# Altium PCB DigitalControl.PcbDoc
Units mil, origin at the board's own origin, x right, y up, seen from the top; angles counter-clockwise.
Board outline 6000 x 4000 mil, 2 copper layers (Top Layer, Bottom Layer); 53 components, 42 nets, 205 pads, 0 vias.
Unrouted connection lines stored in the file: 132.
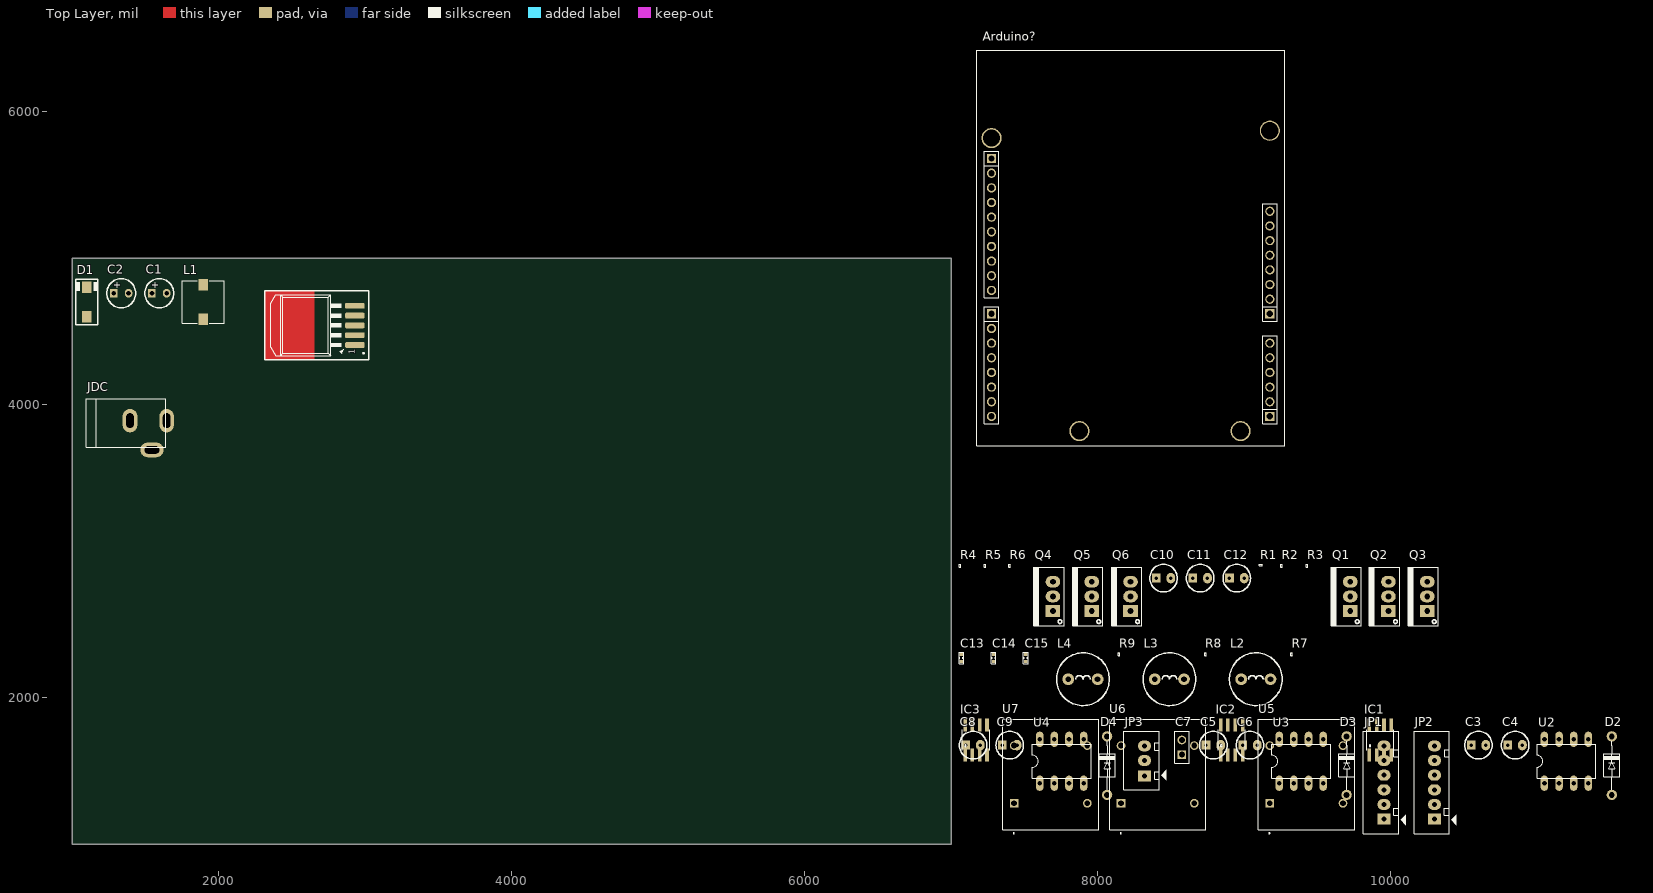
[diagram p0: Top Layer view]
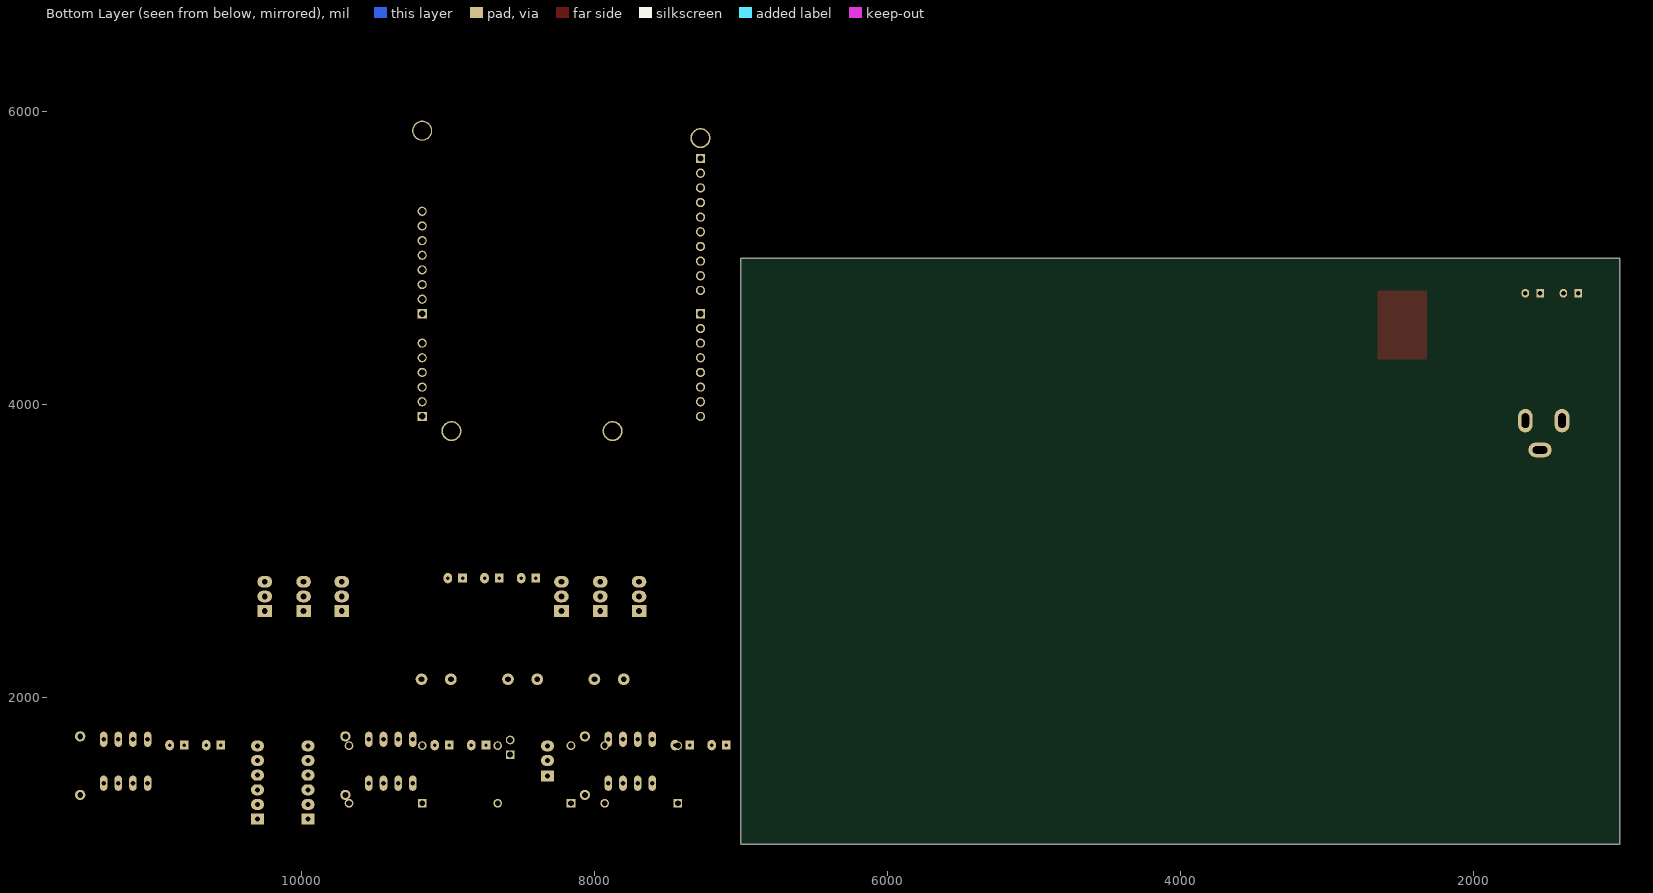
[diagram p1: Bottom Layer view, seen from below]

## Layer stack, top to bottom
Top Solder: solder mask 0.4, Solder Resist, Dk 3.5
Top Layer: signal copper 1.4
Dielectric 1: dielectric 12.6, FR-4, Dk 4.8
Bottom Layer: signal copper 1.4
Bottom Solder: solder mask 0.4, Solder Resist, Dk 3.5

## Board outline
1000,1000 7000,1000 7000,5000 1000,5000

## Design rules (kind name [scope] priority, off if disabled: settings)
Clearance [All] p1: gap=10 ignorepadtopadclearanceinfootprint=FALSE
PolygonConnect [All] p1: connectstyle=Relief reliefconductorwidth=10 reliefentries=4 polygonreliefangle="90 Angle" airgapwidth=10
RoutingVias [All] p1: holewidth=28 width=50 viastyle="Through Hole" minholewidth=28 minwidth=50 maxholewidth=28 maxwidth=50
SolderMaskExpansion [All] p1: expansion=4 istentingtop=FALSE
Width [All] p1: maxlimit=10 minlimit=10 preferedwidth=10
30 further rules are at their usual default settings.

## Classes and differential pairs
component class MCU: Arduino?
component class Current_Voltage_Sensor: IC1 IC2 IC3 U5 U6 U7
component class Power_Supply: "     " C1 C2 D1 JDC L1
component class IGBT: C10 C11 C12 Q1 Q2 Q3 Q4 Q5 Q6 R1 R2 R3 R4 R5 R6
component class Filter_Load: C13 C14 C15 L2 L3 L4 R7 R8 R9
component class Driver: C3 C4 C5 C6 C7 C8 C9 D2 D3 D4 JP1 JP2 JP3 U2 U3 U4

## Components (designator, comment, footprint, x,y, rotation, side; value= is the part's Value field where it differs from the comment)
Arduino? "Arduino Uno R3" "Arduino UNO R3" 8265.82,5094.11 r90 top value="Cau 1A"
C1 "680uF" C5mm 1595,4760 r0 top
C2 "220uF" C5mm 1335,4760 r0 top
C3 "10uF/25V" C3MM 10600,1675 r0 top
C4 "10uF/25V" C3MM 10850,1675 r0 top
C5 "10uF/25V" C3MM 8790,1675 r0 top
C6 "10uF/25V" C3MM 9040,1675 r0 top
C7 "JP2" JP2-C1T 8575,1610 r90 top
C8 "10uF/25V" C3MM 7150,1675 r0 top
C9 "10uF/25V" C3MM 7400,1675 r0 top
C10 "10uF/50V" C3MM 8450,2815 r0 top
C11 "10uF/50V" C3MM 8700,2815 r0 top
C12 "10uF/50V" C3MM 8950,2815 r0 top
C13 "47uF" CAP_0402 7070,2270 r90 top value=33p
C14 "47uF" CAP_0402 7290,2270 r90 top value=33p
C15 "47uF" CAP_0402 7510,2270 r90 top value=33p
D1 "Diode Zener" SMA 1100,4700 r90 top
D2 "Diode" DIO-1A 11510,1335 r90 top value=1N5007
D3 "Diode" DIO-1A 9700,1335 r90 top value=1N5007
D4 "Diode" DIO-1A 8065,1335 r90 top value=1N5007
IC1 "Current Sensor IC" SO08 9930,1710 r0 top
IC2 "Current Sensor IC" SO08 8915,1710 r0 top
IC3 "Current Sensor IC" SO08 7170,1710 r0 top
JDC "Jac DC" DC0 1520,3790 r0 top
JP1 "JP6" CON6 9955,1170 r90 top value="Connector 6"
JP2 "JP6" CON6 10300,1170 r90 top value="Connector 6"
JP3 "JP3" CON3 8320,1470 r90 top value="Connector 3"
L1 "33uH" L-SMD-M-7.3x4.5 1895,4700 r0 top value="150 mH"
L2 "3.3mH" Inductor 9080,2125 r0 top value="150 mH"
L3 "3.3mH" Inductor 8490,2125 r0 top value="150 mH"
L4 "3.3mH" Inductor 7900,2125 r0 top value="150 mH"
Q1 "IRF840" QTO-220 9725,2590 r90 top
Q2 "IRF840" QTO-220 9985,2590 r90 top
Q3 "IRF840" QTO-220 10250,2590 r90 top
Q4 "IRF840" QTO-220 7695,2590 r90 top
Q5 "IRF840" QTO-220 7960,2590 r90 top
Q6 "IRF840" QTO-220 8225,2590 r90 top
R1 "100" RES-SMD-0101 9115,2905 r0 top
R2 "100" RES-SMD-0101 9255,2900 r90 top
R3 "100" RES-SMD-0101 9430,2900 r90 top
R4 "100" RES-SMD-0101 7060,2900 r90 top
R5 "100" RES-SMD-0101 7230,2900 r90 top
R6 "100" RES-SMD-0101 7400,2900 r90 top
R7 "1k" RES-SMD-0101 9325,2295 r90 top
R8 "1k" RES-SMD-0101 8735,2295 r90 top
R9 "1k" RES-SMD-0101 8145,2295 r90 top
U1 "LM2976" TO263 2695,4525 r90 top
U2 "IR2103" DIL08 11200,1565 r0 top
U3 "IR2103" DIL08 9390,1565 r0 top
U4 "IR2103" DIL08 7755,1565 r0 top
U5 "ZMPT101B" XFMR_ZMPT101B 9425,1475 r90 top
U6 "ZMPT101B" XFMR_ZMPT101B 8410,1475 r90 top
U7 "ZMPT101B" XFMR_ZMPT101B 7680,1475 r90 top

## Footprints (in the part's own frame and the unit in brackets; to place one, negate y for a bottom-side part, rotate by r counter-clockwise, add the part's x,y. Pads: shape width x height; smd on the part's side, far side on the other; paste and mask are expansions set on the pad)
"Arduino UNO R3" [mm]
  round 1.6 hole 1.1: 0-RX(-29.845,25.146) 1-TX(-27.305,25.146) 2(-24.765,25.146) 3V3(-1.905,-23.114) 4(-19.685,25.146) 5V(-4.445,-23.114) 8(-8.001,25.146) 12(2.159,25.146) 13(4.699,25.146) A0(-17.145,-23.114) A1(-19.685,-23.114) A2(-22.225,-23.114) A3(-24.765,-23.114) A4(-27.305,-23.114) AREF(9.779,25.146) GND(-9.525,-23.114) GND(-6.985,-23.114) GND(7.239,25.146) IOREF(3.175,-23.114) NC(5.715,-23.114) RESET(0.635,-23.114) SDA(12.319,25.146) ~3(-22.225,25.146) ~5(-17.145,25.146) ~6(-14.605,25.146) ~9(-5.461,25.146) ~10(-2.921,25.146) ~11(-0.381,25.146)
  rect 1.6x1.6 hole 1.1: 7(-12.065,25.146) A5(-29.845,-23.114) SCL(14.859,25.146) Vin(-12.065,-23.114)
  round 3.5 hole 3: GND(-32.385,9.906) GND(18.415,25.146) GND(19.685,-23.114) ""(-32.385,-18.034)
  oval 0x2 all layers, no hole: ""(-32.385,-18.034)
  round 0 all layers, no hole: ""(-32.385,9.906) ""(18.415,25.146) ""(19.685,-23.114)
  silkscreen extent -34.93,-25.65 33.66,27.69, body extent -34.93,-25.65 40,27.69, height 15.28
C3MM [mm]
  rect 1.5x1.58 hole 0.6: 1(-1.27,0)
  oval 1.5x1.8 hole 0.6: 2(1.27,0)
  silkscreen extent -2.39,-2.39 2.39,2.39, body extent -2,-2.03 1.99,1.97, height 7.01
C5mm [mm]
  rect 1.3x1.5 hole 0.8: 1(-1.27,0)
  oval 1.3x1.5 hole 0.8: 2(1.27,0)
  silkscreen extent -2.51,-2.51 2.51,2.51, body extent -2.5,-2.5 2.49,2.5, height 11.01
CAP_0402 [mm]
  rect 0.5x0.6 smd: 1(-0.61,0) 2(0.61,0)
  silkscreen extent -0.97,-0.38 0.97,0.41, body extent -0.5,-0.27 0.5,0.26, height 0.35
CON3 [mil] "CON 3"
  rect 75x90 hole 34: 1(-5,0)
  oval 75x90 hole 34: 2(100,0) 3(200,0)
  silkscreen extent -100,-150 300,140, body extent -95,-90 295,136, height 276
CON6 [mil] "CON6"
  rect 75x90 hole 34: 1(0,0)
  oval 75x90 hole 34: 2(100,0) 3(200,0) 4(300,0) 5(400,0) 6(500,0)
  silkscreen extent -100,-150 600,140
DC0 [mil] "Jac DC input"
  oval 100x160 hole 50 slot 100 at 90 deg: 1(125,100) 2(-125,100)
  oval 160x100 hole 50 slot 100 at 0 deg: 3(25,-100)
  silkscreen extent -425,-80 120,250, body extent -410,-105 134,269, height 434
DIL08 [mil]
  oval 52x104 hole 32: 1(-150,-150) 2(-50,-150) 3(50,-150) 4(150,-150) 5(150,150) 6(50,150) 7(-50,150) 8(-150,150)
  silkscreen extent -200,-115 200,115
DIO-1A [mil]
  round 70 hole 40: 1(0,0) 2(400,0)
  silkscreen extent 35,-55 365,55, body extent -11,-50 411,54, height 102
Inductor [mil]
  round 80 hole 40: 1(-100,0) 2(100,0)
  silkscreen extent -180,-180 180,180, body extent -171,-171 171,171, height 394
JP2-C1T [mm] "2 row, straight, gold plating"
  rect 1.52x1.52 hole 1.02: 1(0,0)
  round 1.52 hole 1.02: 2(2.54,0)
  silkscreen extent -1.52,-1.27 4.06,1.27, body extent -1.52,-1.25 4.06,1.25, height 8.51
L-SMD-M-7.3x4.5 [mm] "WE-PDA SMD Shielded Power Inductor, 7345"
  rect 1.7x2 smd: 1(0,3) 2(0,-3)
  silkscreen extent -3.65,-3.65 3.65,3.65, body extent -3.65,-3.65 3.65,3.65, height 4.05
QTO-220 [mil] "TO-220 - 1-2-3"
  rect 80x100 hole 39: 1(0,0)
  oval 80x100 hole 39: 2(100,0) 3(200,0)
  silkscreen extent -100,-76 300,130, body extent -119,-64 322,121, height 755
RES-SMD-0101 [mm]
  rect 0.15x0.25 smd: 1(-0.2,0) 2(0.2,0)
  silkscreen extent -0.25,-0.13 0.25,0.13, body extent -0.2,-0.1 0.2,0.1, height 0.12
SMA [mm]
  rect 2x1.7 smd: 1(-2.544,0) 2(2.544,0)
  silkscreen extent -3.94,-1.9 3.94,1.91, body extent -2.87,-1.4 2.87,1.4, height 2.29
SO08 [mil]
  rect 24x87 smd: 1(-75,-103) 2(-25,-103) 3(25,-103) 4(75,-103) 5(75,103) 6(25,103) 7(-25,103) 8(-75,103)
  silkscreen extent -93,-71 93,71, body extent -118,-96 118,96, height 69
TO263 [mm]
  rrect50% 1x3.4 smd: 1(-3.019,-5.969) 2(-1.319,-5.969) 4(2.081,-5.969) 5(3.781,-5.969)
  rrect50% 1x3.4 smd mask+0: 3(0.381,-5.969)
  Top Layer region: -5.568,1.016 6.432,1.016 6.432,9.65 -5.568,9.65
  silkscreen extent -5.57,-8.35 6.43,9.65, body extent -4.73,-6.84 5.43,7.8, height 4.57
XFMR_ZMPT101B [mm]
  rect 1.508x1.508 / inner round 1.508 / far side rect 1.508x1.508 hole 1: 1(-5,6.35)
  round 1.508 hole 1: 2(-5,-6.35) 3(5,-6.35) 4(5,6.35)
  silkscreen extent -10.3,-8.35 9.6,8.35, body extent -9.6,-8.35 9.6,8.35, height 18.8

## Part data
Arduino?: "Arduino UNO R3"
C1 C2: library part "Cap Pol 5mm", "Polarized Capacitor (Axial)", LatestRevisionDate=17-Jul-2002, LatestRevisionNote="Re-released for DXP Platform.", PackageReference=POLAR0.8, Published=8-Jun-2000, Publisher="Altium Limited"
C3 C4 C5 C6 C8 C9 C10 C11 C12: library part "Cap Pol", "Polarized Capacitor (Axial)", LatestRevisionDate=17-Jul-2002, LatestRevisionNote="Re-released for DXP Platform.", PackageReference=POLAR0.8, Published=8-Jun-2000, Publisher="Altium Limited"
C7: "WR-PHD 2.54 mm Angled Socket Header", Manufacturer="W¨¹rth Elektronik eiSos GmbH", partNo=613002143121, ComponentLink1 Description=Manufacturer, ComponentLink1URL=http://www.we-online.com, ComponentLink2 Description=Datasheet, ComponentLink2URL=http://katalog.we-online.de/em/datasheet/6130xx143121.pdf, Created by="Karrer Zheng", Created Date="29 March 2013", NoPins=02
C13 C14 C15: library part CapSMD, "Capacitor", LatestRevisionDate=17-Jul-2002, LatestRevisionNote="Re-released for DXP Platform.", PackageReference=RAD-0.3, Published=8-Jun-2000, Publisher="Altium Limited"
D1: "Zener Diode", LatestRevisionDate=17-Jul-2002, LatestRevisionNote="Re-released for DXP Platform.", PackageReference=DIODE-0.7, Published=8-Jun-2000, Publisher="Altium Limited"
D2 D3 D4: "Default Diode", Code - JEDEC=DO-214-AB, Published=8-Jun-2000, Publisher="Altium Limited", Revision="July-2002: Re-released for DXP Platform."
IC1 IC2 IC3: library part ACS712
JDC: library part DCIN, "Jac DC input"
JP1 JP2: library part Con6, "Connector 6"
JP3: library part Con3, "Connector 3"
L1: library part L1, "Inductor"
L2 L3 L4: library part Inductor, "Inductor"
Q1 Q2 Q3 Q4 Q5 Q6: "MOSFET N - CHANNEL 500V - 0.75 - 8A - TO-220"
R1 R2 R3 R4 R5 R6 R7 R8 R9: library part "Resistor - SMD", "Resistor", Manufacturer="Generic Components", Class=Passive, Published=08/06/2000, Publisher="Altium Hobart Technology Centre"
U1: library part LM2596, Max Input Voltage="12 V", Max Output Current="3 (6.0 peak) A", Max Output Voltage=mV, Temperature Range="-40 to +125 degC", Category=IC-Power, Min Input Voltage=mV, Min Output Voltage=mV, Mounting Technology="Surface Mount", Status=Unreleased, Supply Voltage=mV
U2 U3 U4: "Half-Bridge Gate Driver IC Inverting, Non-Inverting 8-PDIP", Package="DIP-8 International Rectifier", Availability=Unavailable, MF=Infineon, MP=IR2103, Price=None, SnapEDA_Link=https://www.snapeda.com/parts/IR2103/Infineon%20Technologies/view-part/41870/?ref=snap

## Nets (pads, with @x,y where several pads share a name; then routed paths per layer and width w, separated by ;. In a path a pad name is that pad's centre, name@x,y a point inside that pad or via, vN(x,y) a via of type N, cw(c..) or ccw(c..) an arc to the next point about the centre after c; other vN are vias at no path point)
5V: C2.1 C3.1 C5.1 C7.2 C8.1 D2.1 D3.1 D4.1 IC1.8 IC2.8 IC3.8 L1.2 U1.4 U2.1 U3.1 U4.1 U5.1 U6.1 U7.1
24V: C10.1 C11.1 C12.1 Q1.2 Q2.2 Q3.2
+5: Arduino?.5V
A0: Arduino?.A0 IC1.7
A1: Arduino?.A1 IC2.7
A2: Arduino?.A2 IC3.7
A3: Arduino?.A3 U5.2
A4: Arduino?.A4 U6.2
A5: Arduino?.A5 U7.2
GND: Arduino?.GND C1.2 C2.2 C3.2 C5.2 C7.1 C8.2 C10.2 C11.2 C12.2 C13.1 C14.1 C15.1 D1.1 JDC.2 Q4.3 Q5.3 Q6.3 R7.2 R8.2 R9.2 U1.3 U1.5 U2.4 U3.4 U4.4 U5.3 U6.3 U7.3
HI1: Arduino?.~11 JP1.6 U2.2
HI2: Arduino?.~9 JP1.4 U3.2
HI3: Arduino?.~5 JP1.2 U4.2
HO1: JP2.1 R1.1 U2.7
HO2: JP2.3 R2.1 U3.7
HO3: JP2.5 R3.1 U4.7
IP1+: C4.2 IC1.1 IC1.2 JP3.1 Q1.3 Q4.2 U2.6
IP1-: IC1.3 IC1.4 L2.1
IP2+: C6.2 IC2.1 IC2.2 JP3.2 Q2.3 Q5.2 U3.6
IP2-: IC2.3 IC2.4 L3.1
IP3+: C9.2 IC3.1 IC3.2 JP3.3 Q3.3 Q6.2 U4.6
IP3-: IC3.3 IC3.4 L4.1
LI1: Arduino?.~10 JP1.5 U2.3
LI2: Arduino?.~6 JP1.3 U3.3
LI3: Arduino?.~3 JP1.1 U4.3
LO1: JP2.2 R4.1 U2.5
LO2: JP2.4 R5.1 U3.5
LO3: JP2.6 R6.1 U4.5
NetC1_1: C1.1 JDC.1 U1.1
NetC4_1: C4.1 D2.2 U2.8
NetC6_1: C6.1 D3.2 U3.8
NetC9_1: C9.1 D4.2 U4.8
NetD1_2: D1.2 L1.1 U1.2
NetQ1_1: Q1.1 R1.2
NetQ2_1: Q2.1 R2.2
NetQ3_1: Q3.1 R3.2
NetQ4_1: Q4.1 R4.2
NetQ5_1: Q5.1 R5.2
NetQ6_1: Q6.1 R6.2
V1+: C13.2 L2.2 R7.1
V2+: C14.2 L3.2 R8.1
V3+: C15.2 L4.2 R9.1
pads on no net: Arduino?. Arduino?.0-RX Arduino?.1-TX Arduino?.2 Arduino?.3V3 Arduino?.4 Arduino?.7 Arduino?.8 Arduino?.12 Arduino?.13 Arduino?.AREF Arduino?.IOREF Arduino?.NC Arduino?.RESET Arduino?.SCL Arduino?.SDA Arduino?.Vin IC1.5 IC1.6 IC2.5 IC2.6 IC3.5 IC3.6 JDC.3 U5.4 U6.4 U7.4

## Text inside footprints (layer, text, board x,y; h text height)
C1: Top Overlay "+" at 1540,4793 h47.24
C2: Top Overlay "+" at 1280,4793 h47.24
U1: Top Overlay "1" at 2928,4342.14 h39.37 r90